# Altium PCB matrix.PcbDoc (part 5 of 5)
Units mm, origin at the board's own origin, x right, y up, seen from the top; angles counter-clockwise.
Board outline 350 x 105 mm, 2 copper layers (Top Layer, Bottom Layer), stack 1.571 mm thick; 187 components, 143 nets, 1443 pads, 602 vias.
Unrouted connection lines stored in the file: 3.
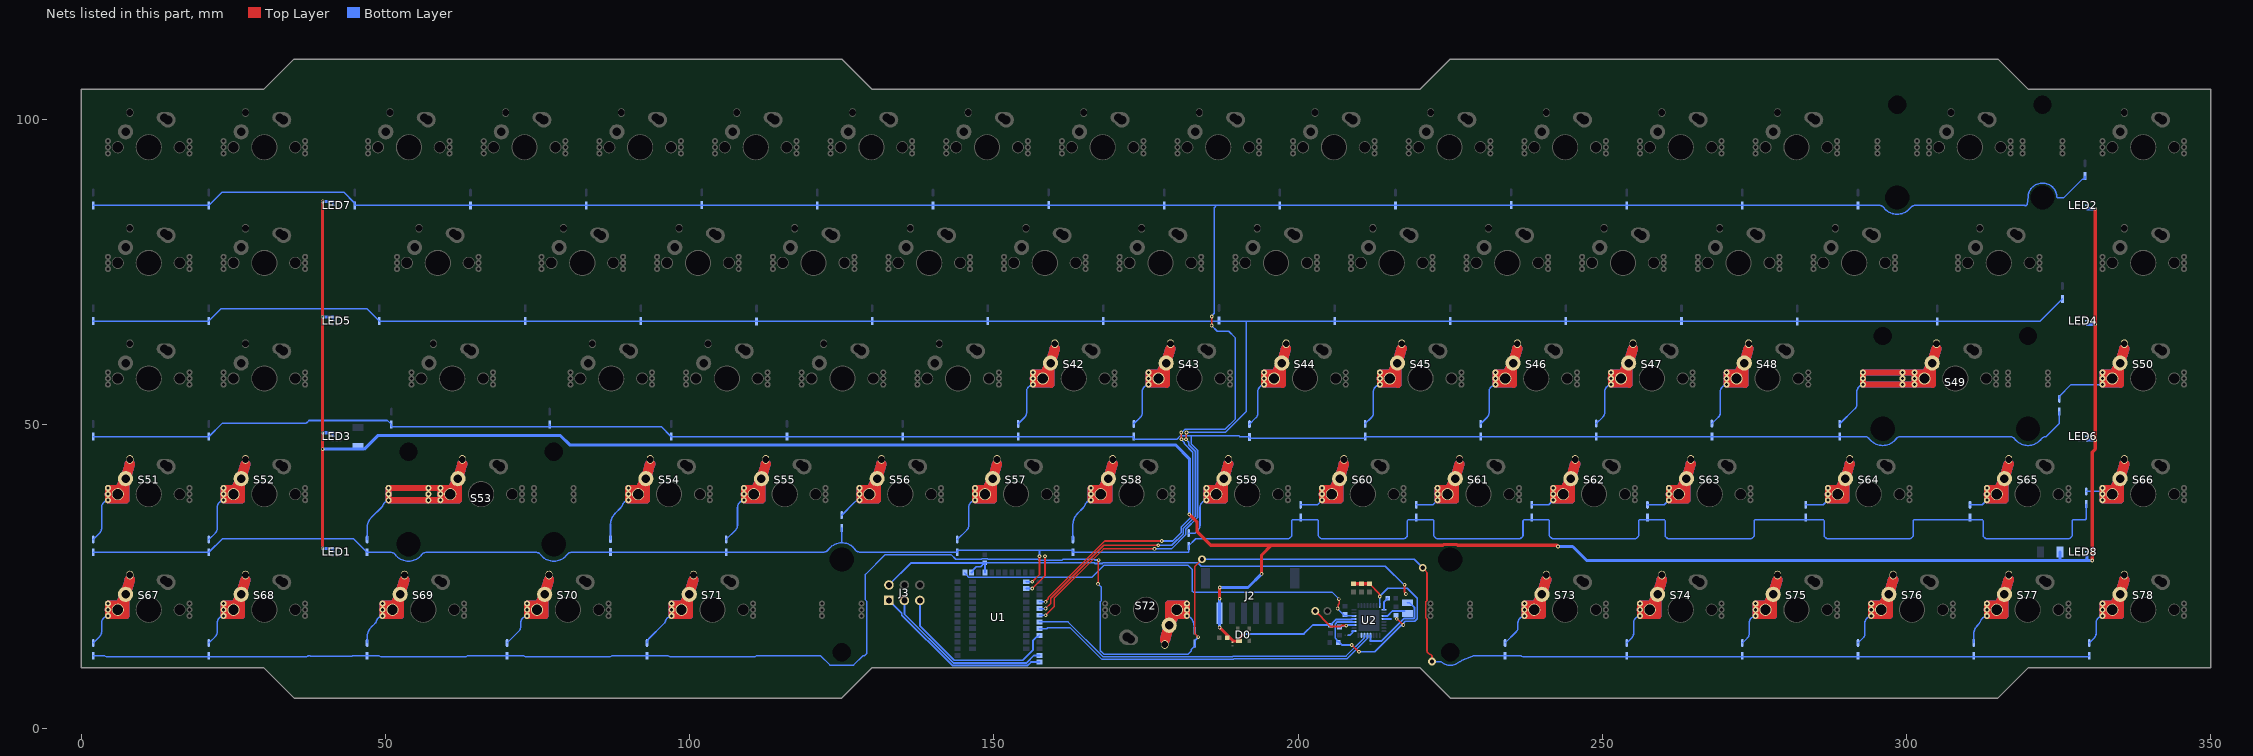
[diagram p5: the nets of this part, all layers, seen from the top]

## Via types
v1: diameter 0.6, hole 0.3, Top Layer to Bottom Layer, tented both sides, 571 vias
v2: diameter 1.57, hole 1.02, Top Layer to Bottom Layer, tented both sides, 15 vias
v3: diameter 0.61, hole 0.305, Top Layer to Bottom Layer, 9 vias
v4: diameter 0.6, hole 0.3, Top Layer to Bottom Layer, 4 vias
v5: diameter 1.27, hole 0.711, Top Layer to Bottom Layer, tented both sides, 3 vias

## Nets (pads, with @x,y where several pads share a name; then routed paths per layer and width w, separated by ;. In a path a pad name is that pad's centre, name@x,y a point inside that pad or via, vN(x,y) a via of type N, cw(c..) or ccw(c..) an arc to the next point about the centre after c; other vN are vias at no path point) (continued)
NetD42_2: D42.2 S42.1 | length 7.5
  Bottom Layer w0.254: D42.2@154,50.05 155.079,51.129 ccw(c154.371,51.835) 155.371,51.835 155.371,55.382 cw(c156.125,55.382) 155.428,55.67 155.489,55.817 cw(c156.186,55.529) 155.654,56.063 155.764,56.174 cw(c156.298,55.641) 156.009,56.338 156.157,56.399 cw(c156.445,55.702) 156.176,56.407 S42.1@156.424,56.502
NetD43_2: D43.2 S43.1 | length 7.5
  Bottom Layer w0.254: D43.2@173,50.05 174.079,51.129 ccw(c173.371,51.835) 174.371,51.835 174.371,55.382 cw(c175.125,55.382) 174.428,55.67 174.489,55.817 cw(c175.186,55.529) 174.654,56.063 174.764,56.174 cw(c175.298,55.641) 175.009,56.338 175.157,56.399 cw(c175.445,55.702) 175.176,56.407 S43.1@175.424,56.502
NetD44_2: D44.2 S44.1 | length 7.6
  Bottom Layer w0.254: D44.2@192,50 193.079,51.079 ccw(c192.371,51.785) 193.371,51.785 193.371,55.382 cw(c194.125,55.382) 193.428,55.67 193.489,55.817 cw(c194.186,55.529) 193.654,56.063 193.764,56.174 cw(c194.298,55.641) 194.009,56.338 194.157,56.399 cw(c194.445,55.702) 194.176,56.407 S44.1@194.425,56.502
NetD45_2: D45.2 S45.1 | length 7.5
  Bottom Layer w0.254: D45.2@211,50.05 212.079,51.129 ccw(c211.371,51.835) 212.371,51.835 212.371,55.382 cw(c213.125,55.382) 212.428,55.67 212.489,55.817 cw(c213.186,55.529) 212.654,56.063 212.764,56.174 cw(c213.298,55.641) 213.009,56.338 213.157,56.399 cw(c213.445,55.702) 213.176,56.407 S45.1@213.424,56.502
NetD46_2: D46.2 S46.1 | length 7.5
  Bottom Layer w0.254: D46.2@230,50.05 231.079,51.129 ccw(c230.371,51.835) 231.371,51.835 231.371,55.382 cw(c232.125,55.382) 231.428,55.67 231.489,55.817 cw(c232.186,55.529) 231.654,56.063 231.764,56.174 cw(c232.298,55.641) 232.009,56.338 232.157,56.399 cw(c232.445,55.702) 232.176,56.407 S46.1@232.424,56.502
NetD47_2: D47.2 S47.1 | length 7.5
  Bottom Layer w0.254: D47.2@249,50.101 250.079,51.179 ccw(c249.371,51.886) 250.371,51.886 250.371,55.382 cw(c251.125,55.382) 250.428,55.67 250.489,55.817 cw(c251.186,55.529) 250.654,56.063 250.764,56.174 cw(c251.298,55.641) 251.009,56.338 251.157,56.399 cw(c251.445,55.702) 251.176,56.407 S47.1@251.425,56.502
NetD48_2: D48.2 S48.1 | length 7.5
  Bottom Layer w0.254: D48.2@268,50.101 269.079,51.179 ccw(c268.371,51.886) 269.371,51.886 269.371,55.382 cw(c270.125,55.382) 269.428,55.67 269.489,55.817 cw(c270.186,55.529) 269.654,56.063 269.764,56.174 cw(c270.298,55.641) 270.009,56.338 270.157,56.399 cw(c270.445,55.702) 270.176,56.407 S48.1@270.425,56.502
NetD49_2: D49.2 S49.1 | length 8
  Bottom Layer w0.254: D49.2@289,50.05 291.514,52.564 ccw(c290.806,53.271) 291.806,53.271 291.806,55.3 cw(c292.56,55.302) 291.806,55.302 291.806,55.382 cw(c292.56,55.382) 291.863,55.67 291.924,55.817 cw(c292.621,55.529) 292.089,56.063 292.199,56.173 cw(c292.733,55.641) 292.421,56.327 S49.1@292.799,56.5
NetD50_2: D50.2 S50.1 | length 8.6
  Bottom Layer w0.254: D50.2@325.1,54.15 325.1,54.587 327.015,56.502 S50.1@332.175,56.502 ; S50.1@331.907,56.399 cw(c332.195,55.702) 331.926,56.407 S50.1@332.175,56.502
NetD51_2: D51.2 S51.1 | length 7.5
  Bottom Layer w0.254: D51.2@2,31.05 3.079,32.129 ccw(c2.371,32.835) 3.371,32.835 3.371,36.382 cw(c4.125,36.382) 3.428,36.67 3.489,36.817 cw(c4.186,36.529) 3.654,37.063 3.764,37.174 cw(c4.298,36.641) 4.009,37.338 4.157,37.399 cw(c4.445,36.702) 4.176,37.407 S51.1@4.425,37.502
NetD52_2: D52.2 S52.1 | length 7.5
  Bottom Layer w0.254: D52.2@21,31.05 22.079,32.129 ccw(c21.371,32.835) 22.371,32.835 22.371,36.382 cw(c23.125,36.382) 22.428,36.67 22.489,36.817 cw(c23.186,36.529) 22.654,37.063 22.764,37.174 cw(c23.298,36.641) 23.009,37.338 23.157,37.399 cw(c23.445,36.702) 23.176,37.407 S52.1@23.425,37.502
NetD53_2: D53.2 S53.1 | length 7.9
  Bottom Layer w0.254: D53.2@47,31.05 47,32.898 cw(c49.54,32.898) 47.744,34.694 49.398,36.348 ccw(c48.69,37.054) 49.614,36.672 49.674,36.817 cw(c50.371,36.529) 49.839,37.063 49.949,37.173 cw(c50.483,36.641) 50.171,37.327 S53.1@50.549,37.5
NetD54_2: D54.2 S54.1 | length 7.6
  Bottom Layer w0.254: D54.2@87,31.101 87,33.525 cw(c89.54,33.525) 87.744,35.321 88.678,36.256 ccw(c87.969,36.961) 88.913,36.63 cw(c89.625,36.382) 88.928,36.67 88.989,36.817 cw(c89.686,36.529) 89.154,37.063 89.264,37.174 cw(c89.798,36.641) 89.509,37.338 89.657,37.399 cw(c89.945,36.702) 89.676,37.407 S54.1@89.925,37.502
NetD55_2: D55.2 S55.1 | length 7.7
  Bottom Layer w0.254: D55.2@106,31.05 107.579,32.629 ccw(c106.871,33.335) 107.871,33.335 107.871,36.382 cw(c108.625,36.382) 107.928,36.67 107.989,36.817 cw(c108.686,36.529) 108.154,37.063 108.264,37.174 cw(c108.798,36.641) 108.509,37.338 108.657,37.399 cw(c108.945,36.702) 108.676,37.407 S55.1@108.924,37.502
NetD56_2: D56.2 S56.1 | length 3.9
  Bottom Layer w0.254: D56.2@125,35.05 127.118,37.168 cw(c127.925,36.361) S56.1@127.925,37.502
NetD57_2: D57.2 S57.1 | length 7.7
  Bottom Layer w0.254: D57.2@144,31.05 145.579,32.629 ccw(c144.871,33.335) 145.871,33.335 145.871,36.382 cw(c146.625,36.382) 145.928,36.67 145.989,36.817 cw(c146.686,36.529) 146.154,37.063 146.264,37.174 cw(c146.798,36.641) 146.509,37.338 146.657,37.399 cw(c146.945,36.702) 146.676,37.407 S57.1@146.925,37.502
NetD58_2: D58.2 S58.1 | length 7.6
  Bottom Layer w0.254: D58.2@163,31.05 163,33.525 cw(c165.54,33.525) 163.744,35.321 164.678,36.256 ccw(c163.969,36.961) 164.913,36.63 cw(c165.625,36.382) 164.928,36.67 164.989,36.817 cw(c165.686,36.529) 165.154,37.063 165.264,37.174 cw(c165.798,36.641) 165.509,37.338 165.657,37.399 cw(c165.945,36.702) 165.676,37.407 S58.1@165.924,37.502
NetD59_2: D59.2 S59.1 | length 7.3
  Bottom Layer w0.254: D59.2@182,32.101 183.05,32.101 183.579,32.629 ccw(c182.871,33.335) 183.871,33.335 183.871,36.382 cw(c184.625,36.382) 183.928,36.67 183.989,36.817 cw(c184.686,36.529) 184.154,37.063 184.264,37.174 cw(c184.798,36.641) 184.509,37.338 184.657,37.399 cw(c184.945,36.702) 184.676,37.407 S59.1@184.925,37.502
NetD60_2: D60.2 S60.1 | length 3.8
  Bottom Layer w0.254: D60.2@200.4,36.75 203.173,36.75 S60.1@203.925,37.502
NetD61_2: D61.2 S61.1 | length 3.8
  Bottom Layer w0.254: D61.2@219.4,36.75 222.173,36.75 S61.1@222.925,37.502
NetD62_2: D62.2 S62.1 | length 3.8
  Bottom Layer w0.254: D62.2@238.4,36.75 241.173,36.75 S62.1@241.925,37.502
NetD63_2: D63.2 S63.1 | length 3.8
  Bottom Layer w0.254: D63.2@257.4,36.75 260.173,36.75 S63.1@260.925,37.502
NetD64_2: D64.2 S64.1 | length 4
  Bottom Layer w0.254: D64.2@283.4,36.75 286.298,36.75 S64.1@287.05,37.502
NetD65_2: D65.2 S65.1 | length 3.1
  Bottom Layer w0.254: D65.2@310.4,36.75 312.423,36.75 S65.1@313.175,37.502
NetD66_2: D66.2 S66.1 | length 3.9
  Bottom Layer w0.254: D66.2@329.5,38.95 331.653,38.95 332.101,38.502 S66.1@332.175,38.502 S66.1@332.175,37.502
NetD67_2: D67.2 S67.1 | length 5.5
  Bottom Layer w0.254: D67.2@2,14.05 3.079,15.129 ccw(c2.371,15.835) 3.371,15.835 3.371,17.382 cw(c4.125,17.382) 3.428,17.67 3.489,17.817 cw(c4.186,17.529) 3.654,18.063 3.764,18.174 cw(c4.298,17.641) 4.009,18.338 4.157,18.399 cw(c4.445,17.702) 4.176,18.407 S67.1@4.425,18.502
NetD68_2: D68.2 S68.1 | length 5.5
  Bottom Layer w0.254: D68.2@21,14.05 22.079,15.129 ccw(c21.371,15.835) 22.371,15.835 22.371,17.382 cw(c23.125,17.382) 22.428,17.67 22.489,17.817 cw(c23.186,17.529) 22.654,18.063 22.764,18.174 cw(c23.298,17.641) 23.009,18.338 23.157,18.399 cw(c23.445,17.702) 23.176,18.407 S68.1@23.425,18.502
NetD69_2: D69.2 S69.1 | length 5.5
  Bottom Layer w0.254: D69.2@47,14.05 47,14.9 cw(c49.54,14.9) 47.744,16.696 48.303,17.256 ccw(c47.594,17.961) 48.538,17.63 cw(c49.25,17.382) 48.554,17.67 48.614,17.817 cw(c49.311,17.529) 48.779,18.063 48.889,18.174 cw(c49.424,17.641) 49.134,18.338 49.282,18.399 cw(c49.571,17.702) 49.302,18.407 S69.1@49.55,18.502
NetD70_2: D70.2 S70.1 | length 5.9
  Bottom Layer w0.254: D70.2@70,14.05 71.954,16.004 ccw(c71.246,16.711) 72.246,16.711 72.246,17.382 cw(c73,17.382) 72.304,17.67 72.364,17.817 cw(c73.061,17.529) 72.529,18.063 72.639,18.174 cw(c73.174,17.641) 72.884,18.338 73.032,18.399 cw(c73.321,17.702) 73.052,18.407 S70.1@73.3,18.502
NetD71_2: D71.2 S71.1 | length 6.2
  Bottom Layer w0.254: D71.2@93,14.05 cw(c93.97,14.05) 93.284,14.736 95.803,17.256 ccw(c95.094,17.961) 96.038,17.63 cw(c96.75,17.382) 96.054,17.67 96.114,17.817 cw(c96.811,17.529) 96.279,18.063 96.389,18.174 cw(c96.924,17.641) 96.634,18.338 96.782,18.399 cw(c97.071,17.702) 96.802,18.407 S71.1@97.049,18.502
NetD72_2: D72.2 S72.1 | length 3
  Bottom Layer w0.254: S72.1@181.7,18.498 181.95,18.401 cw(c181.68,17.698) 181.968,18.394 182.115,18.333 cw(c181.827,17.637) 182.361,18.169 182.471,18.058 cw(c181.939,17.524) 182.636,17.813 182.697,17.666 cw(c182,17.377) 182.733,17.554 182.929,16.741 cw(c180.46,16.146) 183,16.146 D72.2@183,16.05
NetD73_2: D73.2 S73.1 | length 5.8
  Bottom Layer w0.254: D73.2@234,14.05 235.829,15.879 ccw(c235.121,16.585) 236.121,16.585 236.121,17.382 cw(c236.875,17.382) 236.178,17.67 236.239,17.817 cw(c236.936,17.529) 236.404,18.063 236.514,18.174 cw(c237.048,17.641) 236.759,18.338 236.907,18.399 cw(c237.195,17.702) 236.926,18.407 S73.1@237.175,18.502
NetD74_2: D74.2 S74.1 | length 5.4
  Bottom Layer w0.254: D74.2@254,14.05 254.829,14.879 ccw(c254.121,15.585) 255.121,15.585 255.121,17.382 cw(c255.875,17.382) 255.178,17.67 255.239,17.817 cw(c255.936,17.529) 255.404,18.063 255.514,18.174 cw(c256.048,17.641) 255.759,18.338 255.907,18.399 cw(c256.195,17.702) 255.926,18.407 S74.1@256.175,18.502
NetD75_2: D75.2 S75.1 | length 5.4
  Bottom Layer w0.254: D75.2@273,14.05 273.829,14.879 ccw(c273.121,15.585) 274.121,15.585 274.121,17.382 cw(c274.875,17.382) 274.178,17.67 274.239,17.817 cw(c274.936,17.529) 274.404,18.063 274.514,18.174 cw(c275.048,17.641) 274.759,18.338 274.907,18.399 cw(c275.195,17.702) 274.926,18.407 S75.1@275.174,18.502
NetD76_2: D76.2 S76.1 | length 5.4
  Bottom Layer w0.254: D76.2@292,14.05 292.829,14.879 ccw(c292.121,15.585) 293.121,15.585 293.121,17.382 cw(c293.875,17.382) 293.178,17.67 293.239,17.817 cw(c293.936,17.529) 293.404,18.063 293.514,18.174 cw(c294.048,17.641) 293.759,18.338 293.907,18.399 cw(c294.195,17.702) 293.926,18.407 S76.1@294.174,18.502
NetD77_2: D77.2 S77.1 | length 5.3
  Bottom Layer w0.254: D77.2@311,14.05 311,15.275 cw(c313.54,15.275) 311.744,17.071 311.747,17.074 ccw(c311.038,17.779) 311.893,17.262 312.29,17.919 cw(c312.936,17.529) 312.404,18.063 312.514,18.174 cw(c313.048,17.641) 312.759,18.338 312.907,18.399 cw(c313.195,17.702) 312.925,18.406 S77.1@313.175,18.502
NetD78_2: D78.2 S78.1 | length 5.4
  Bottom Layer w0.254: D78.2@330,14.05 330.829,14.879 ccw(c330.121,15.585) 331.121,15.585 331.121,17.382 cw(c331.875,17.382) 331.178,17.67 331.239,17.817 cw(c331.936,17.529) 331.404,18.063 331.514,18.174 cw(c332.048,17.641) 331.759,18.338 331.907,18.399 cw(c332.195,17.702) 331.926,18.407 S78.1@332.175,18.502
RESET: J3.5 U1.32 | length 28.8
  Bottom Layer w0.3: J3.5@137.84,21.03 137.84,16.868 143.504,11.204 154.746,11.204 156.426,12.884 156.426,14.418 157.058,15.05 157.25,15.05 U1.32@157.5,15.3
"Row 0": D1.1 D2.1 D3.1 D4.1 D5.1 D6.1 D7.1 D8.1 D9.1 D10.1 D11.1 D12.1 D13.1 D14.1 D15.1 D16.1 D17.1 U1.27 | length 429.8
  Top Layer w0.254: v1(158.5,20.8) 158.5,20.894 158.933,21.326 158.933,21.51 168.222,30.8 v1(177.6,30.8) ; v1(180.8,48.624) 180.817,48.607 180.817,47.533 v1(180.835,47.516) ; v1(185.784,66.208) 185.792,66.216 185.792,67.692 v1(185.8,67.7)
  Bottom Layer w0.254: D1.1@2,85.95 D2.1@21,85.95 23.15,88.1 43.2,88.1 44.824,86.476 44.911,86.476 45,86.386 D3.1@45,85.95 D4.1@64,85.95 D5.1@83,85.95 D7.1@121,85.95 D8.1@140,85.95 D10.1@178,85.95 186.6,85.95 ; U1.27@157.5,20.8 v1(158.5,20.8) ; v1(177.6,30.8) 179.4,30.8 180.768,32.168 180.768,33.048 182.7,34.98 182.7,45.401 181.282,46.82 181.282,47 180.835,47.446 v1(180.835,47.516) ; v1(180.8,48.624) 180.868,48.624 181.433,49.189 188.04,49.189 189.629,50.778 189.629,64.226 188.583,65.273 186.719,65.273 v1(185.784,66.208) ; v1(185.8,67.7) 185.8,67.794 186.233,68.227 186.233,85.583 186.6,85.95 ; D17.1@329.3,90.7 329.3,90.364 329.211,90.275 328.875,90.275 325.773,87.173 324.938,87.173 324.839,87.173 324.69,87.322 324.685,87.399 ccw(c322.313,87.245) 319.946,87.46 ccw(c321.995,87.274) 319.946,87.458 319.823,86.093 319.674,85.945 319.584,85.92 319.488,85.92 ccw(c319.344,85.58) 319.345,85.95 301.405,85.95 ccw(c301.408,84.95) 300.618,85.563 cw(c298.437,87.245) 296.257,85.563 ccw(c295.466,84.95) 295.469,85.95 D16.1@292,85.95 D15.1@273,85.95 D14.1@254,85.95 D12.1@216,85.95 D11.1@197,85.95 186.6,85.95
"Row 1": D18.1 D19.1 D20.1 D21.1 D22.1 D23.1 D24.1 D25.1 D26.1 D27.1 D28.1 D29.1 D30.1 D31.1 D32.1 D33.1 D34.1 U1.28 | length 400.2
  Top Layer w0.254: v1(158.5,19.7) 159.339,20.539 159.339,21.378 168.061,30.1 v1(177,30.1) ; v1(181.562,47.519) 181.612,47.569 181.612,48.585 v1(181.662,48.635)
  Bottom Layer w0.254: D18.1@2,66.95 ccw(c2.121,67.071) 2.121,66.899 D19.1@21,66.899 ; D19.1@21,66.95 23.05,69 46.95,69 D20.1@49,66.95 ; D20.1@49,66.899 D23.1@111,66.899 149,66.899 187,66.899 191.5,66.899 ; U1.28@157.5,19.7 v1(158.5,19.7) ; v1(177,30.1) 179.239,30.1 181.149,32.01 181.149,32.89 183.081,34.822 183.081,45.559 182.019,46.621 182.019,47.031 181.562,47.488 v1(181.562,47.519) ; v1(181.662,48.635) 188.024,48.635 191.5,52.111 191.5,66.899 ; D34.1@325.6,70.6 321.899,66.899 D33.1@305,66.899 D32.1@282,66.899 244,66.899 191.5,66.899
"Row 2": D35.1 D36.1 D37.1 D38.1 D39.1 D40.1 D41.1 D42.1 D43.1 D44.1 D45.1 D46.1 D47.1 D48.1 D49.1 D50.1 U1.29 | length 379.3
  Top Layer w0.254: v1(158.5,18.6) 159.9,20 159.9,21.4 168.004,29.504 v1(176.4,29.504)
  Bottom Layer w0.254: D35.1@2,47.95 D36.1@21,47.95 23.226,50.175 36.94,50.175 37.087,50.236 37.451,50.6 50.35,50.6 D37.1@51,49.95 51,49.689 51.089,49.6 D38.1@77,49.6 ; D38.1@77,49.95 D38.1@77,49.6 ; U1.29@157.5,18.6 v1(158.5,18.6) ; v1(176.4,29.504) 179.181,29.504 181.53,31.852 181.53,32.732 183.462,34.664 183.462,45.717 182.4,46.779 182.4,48.088 ; D44.1@192,47.899 192,47.789 192.089,47.7 210.911,47.7 211,47.789 D45.1@211,47.95 D46.1@230,47.95 D49.1@289,47.95 293.093,47.95 cw(c293.091,46.95) 293.881,47.563 ccw(c296.062,49.245) 298.242,47.563 cw(c299.032,46.95) 299.03,47.95 316.969,47.95 cw(c316.967,46.95) 317.757,47.563 ccw(c319.938,49.245) 322.118,47.563 cw(c322.908,46.95) 322.906,47.95 325.1,50.144 D50.1@325.1,52.05 ; D44.1@192,47.95 190.411,47.95 190.273,48.088 182.4,48.088 ; D38.1@77,49.6 95.35,49.6 D39.1@97,47.95 D40.1@116,47.95 D41.1@135,47.95 D42.1@154,47.95 D43.1@173,47.95 173,47.591 173.089,47.501 173.448,47.501 173.45,47.5 180.035,47.5 180.605,48.07 181.329,48.07 181.332,48.073 181.735,48.073 181.75,48.088 182.4,48.088
"Row 3": D51.1 D52.1 D53.1 D54.1 D55.1 D56.1 D57.1 D58.1 D59.1 D60.1 D61.1 D62.1 D63.1 D64.1 D65.1 D66.1 U1.48 | length 381.8
  Top Layer w0.254: v1(156.3,24.1) 157.5,25.3 v1(157.5,28.3)
  Bottom Layer w0.254: D51.1@2,28.95 D52.1@21,28.95 23.226,31.175 36.94,31.175 36.964,31.2 44.75,31.2 D53.1@47,28.95 50.843,28.95 cw(c50.841,27.95) 51.631,28.563 ccw(c53.812,30.245) 55.992,28.563 cw(c56.782,27.95) 56.78,28.95 74.719,28.95 cw(c74.717,27.95) 75.507,28.563 ccw(c77.688,30.245) 79.868,28.563 cw(c80.658,27.95) 80.656,28.95 D55.1@106,28.95 121.959,28.95 ccw(c121.957,29.95) 122.767,29.364 cw(c125.002,27.755) 125,30.509 ; D56.1@125,32.95 125,30.509 ; U1.48@155.3,24.1 v1(156.3,24.1) ; v1(157.5,28.3) 157.5,29.3 ; 236.952,31.687 236.891,31.541 236.587,31.236 236.44,31.175 222.81,31.175 222.663,31.236 222.359,31.54 222.298,31.687 222.298,34.151 222.149,34.3 219.4,34.3 218.101,34.3 217.952,34.151 217.952,31.687 217.91,31.587 217.891,31.54 217.587,31.236 217.44,31.175 203.81,31.175 203.663,31.236 203.359,31.54 203.298,31.687 203.298,34.151 203.149,34.3 200.4,34.3 199.101,34.3 198.952,34.151 198.952,31.687 198.91,31.587 198.891,31.54 198.587,31.236 198.44,31.175 183.175,31.175 183.101,31.101 D59.1@182,30 182,28.95 D58.1@163,28.95 163,29.211 162.911,29.3 157.5,29.3 ; 236.952,31.687 236.952,34.151 237.101,34.3 238.4,34.3 241.149,34.3 241.298,34.151 241.298,31.687 241.359,31.54 241.663,31.236 241.81,31.175 255.44,31.175 255.587,31.236 255.891,31.54 255.91,31.587 255.952,31.687 255.952,34.151 256.101,34.3 257.4,34.3 260.149,34.3 260.298,34.151 260.298,31.687 260.359,31.54 260.663,31.236 260.81,31.175 274.44,31.175 274.587,31.236 274.891,31.54 274.91,31.587 274.952,31.687 274.952,34.151 275.101,34.3 283.4,34.3 286.274,34.3 286.423,34.151 286.423,31.687 286.484,31.54 286.788,31.236 286.935,31.175 300.565,31.175 300.712,31.236 301.016,31.54 301.036,31.587 301.077,31.687 301.077,34.151 301.226,34.3 310.4,34.3 312.399,34.3 312.548,34.151 312.548,31.687 312.609,31.54 312.913,31.236 313.06,31.175 326.69,31.175 326.837,31.236 327.141,31.54 327.16,31.587 327.202,31.687 ; 327.202,31.687 327.202,34.151 327.351,34.3 329.351,34.3 329.426,34.374 329.5,34.449 D66.1@329.5,36.85 ; 125,30.509 cw(c125.002,27.755) 127.238,29.363 ccw(c128.048,29.95) 128.046,28.95 D57.1@144,28.95 144,29.211 144.089,29.3 157.5,29.3
"Row 4": D67.1 D68.1 D69.1 D70.1 D71.1 D72.1 D73.1 D74.1 D75.1 D76.1 D77.1 D78.1 U1.49 | length 398.6
  Top Layer w0.254: v1(156.3,23) 158.4,25.1 v1(158.4,28.3) ; v1(167.119,23.754) 167.182,23.817 167.182,27.598 v1(167.245,27.661) ; v1(183.6,15) 183,15.6 183,26.6 v5(184.2,27.8) ; v5(220.486,26.414) 220.492,26.408 cw(c216.641,22.57) 221.173,25.574 221.173,20.999 220.986,20.812 220.986,18.188 221.173,18.001 221.173,12.685 221.234,12.538 221.538,12.234 221.685,12.173 221.851,12.127 222,11.978 v5(222,11)
  Bottom Layer w0.254: D67.1@2,11.95 3.608,11.95 cw(c3.606,10.95) 3.98,11.877 4.162,11.803 ccw(c4.445,12.502) 4.445,11.748 21,11.748 36.804,11.748 ccw(c36.804,12.502) 37.092,11.805 37.256,11.873 37.331,11.948 37.636,11.948 37.737,11.846 44.49,11.846 44.591,11.947 47,11.947 48.726,11.947 cw(c48.724,10.947) 49.077,11.883 49.304,11.797 ccw(c49.571,12.502) 49.571,11.748 62.93,11.748 ccw(c62.93,12.502) 63.22,11.806 63.231,11.811 63.381,11.873 ; 63.381,11.873 cw(c63.759,10.947) 63.733,11.947 70,11.946 72.484,11.946 cw(c72.484,10.946) 72.848,11.877 73.044,11.801 ccw(c73.321,12.502) 73.321,11.748 86.68,11.748 ccw(c86.68,12.502) 86.97,11.807 87.126,11.871 cw(c87.506,10.946) 87.506,11.946 93,11.946 96.233,11.945 cw(c96.233,10.945) 96.593,11.879 96.798,11.799 ccw(c97.071,12.502) 97.071,11.748 110.43,11.748 ccw(c110.43,12.502) 110.72,11.806 110.872,11.869 cw(c111.253,10.945) 111.253,11.945 120.991,11.944 cw(c120.991,11.924) 120.998,11.943 121.523,11.943 123.055,10.411 126.945,10.411 128.476,11.943 128.741,11.943 129.141,12.343 129.141,20.865 128.89,21.116 128.89,25.304 132.155,28.569 142.973,28.569 143.736,27.806 147.946,27.806 147.995,27.854 149.005,27.854 149.054,27.806 157.211,27.806 157.352,27.665 158.5,27.665 ; U1.49@155.3,23 v1(156.3,23) ; v1(158.4,28.3) 158.466,28.234 158.466,27.699 158.5,27.665 ; v1(167.119,23.754) 167.673,23.2 167.673,21.008 167.496,20.831 167.496,12.774 168.038,12.232 168.185,12.171 181.815,12.171 181.962,12.232 182.406,12.675 182.406,12.919 183.089,13.602 183.089,14.476 183.6,14.986 v1(183.6,15) ; v1(167.245,27.661) 167.227,27.679 166.564,27.679 166.437,27.806 161.37,27.806 161.229,27.665 158.5,27.665 ; v5(184.2,27.8) 219.1,27.8 v5(220.486,26.414) ; v5(222,11) 222.052,10.948 223.377,10.948 223.398,10.928 ; 223.547,10.924 ccw(c224.999,12.572) 226.453,10.926 ccw(c224.999,12.572) 226.454,10.926 226.455,10.928 226.599,10.928 226.956,11.177 228.62,11.866 cw(c229.001,10.942) 228.932,11.939 234,11.939 236.368,11.939 cw(c236.368,10.939) 236.718,11.876 236.931,11.796 ccw(c237.195,12.502) 237.195,11.748 329.4,11.748 ccw(c329.398,12.748) D78.1@330,11.95
SCL: U1.30 U2.14 | length 57.5
  Bottom Layer w0.254: U1.30@157.5,17.5 162.198,17.5 167.932,11.767 189.166,11.767 189.284,11.885 207.864,11.885 210.9,14.921 U2.14@210.9,15.3
SDA: U1.31 U2.13 | length 58.1
  Bottom Layer w0.254: U1.31@157.5,16.4 158.687,16.4 158.862,16.576 162.519,16.576 167.755,11.34 189.343,11.34 189.461,11.458 208.041,11.458 211.4,14.817 U2.13@211.4,15.3
SHPHLD: U2.15
SW1: L1.2 U2.3 | length 3.7
  Bottom Layer w0.3: U2.3@214.1,18.5 214.7,18.5 215.5,19.3 L1.2@217.49,19.3
SWDCLK: J3.1 U1.36 | length 29.6
  Bottom Layer w0.3: J3.1@132.76,21.03 134.873,18.917 134.873,18.628 143.151,10.35 155.554,10.35 156.104,10.9 U1.36@157.5,10.9
SWDIO: J3.3 U1.35 | length 28.3
  Bottom Layer w0.3: J3.3@135.3,21.03 135.3,18.804 143.327,10.777 155.377,10.777 156.6,12 U1.35@157.5,12
VBAT: C6.2 J1.1 U2.19 | length 9.1
  Top Layer w0.3: J1.1@202.535,19.574 205.377,16.732 206.959,16.732 207.127,16.9 v1(207.9,16.9)
  Bottom Layer w0.3: C6.2@206.8,16.675 206.968,16.843 207.843,16.843 v1(207.9,16.9) 207.981,16.9 208.081,17 U2.19@209.2,17
VBUSIN: C1.2 C10.2 C11.2 C13.2 C14.2 D0.1 J2.1 LED1.2_1 LED1.2_2 LED2.2_1 LED2.2_2 LED3.2_1 LED3.2_2 LED4.2_1 LED4.2_2 LED5.2_1 LED5.2_2 LED6.2_1 LED6.2_2 LED7.2_1 LED7.2_2 LED8.2_1 LED8.2_2 U2.21 | length 482.3
  Top Layer w0.508: v1(39.7,29.6) v1(39.7,45.9) v1(39.7,48.6) v1(39.7,67.6) v1(39.7,86.6) ; v1(182.118,35.182) 183.404,33.896 183.404,32.316 185.619,30.1 195.6,30.1 ; v1(187.1,16.6) 189.3,14.4 D0.1@190.25,14.4 190.4,14.4 190.496,14.496 190.496,14.974 v1(191.099,15.576) ; v1(187.1,21.3) 187.1,23.156 v1(187.114,23.17) ; v1(194,25.4) 194,28.5 195.6,30.1 ; v1(242.7,29.9) 242.5,30.1 226.195,30.1 226.036,30.259 223.961,30.259 223.802,30.1 195.6,30.1 ; v1(330.5,27.6) 330.5,45.412 330.981,45.893 v1(330.981,47.4) v1(330.981,66.4) v1(330.981,85.4)
  Bottom Layer w0.3: LED1.2_1@41.36,29.585 41.393,29.552 41.393,29.025 41.417,29 LED1.2_2@41.425,29 ; LED3.2_1@41.36,48.585 41.393,48.552 41.393,48.025 41.417,48 LED3.2_2@41.425,48 ; LED5.2_1@41.36,67.585 41.392,67.552 41.392,67.025 41.417,67 LED5.2_2@41.425,67 ; LED7.2_1@41.36,86.585 41.392,86.552 41.392,86.025 41.417,86 LED7.2_2@41.425,86 ; v1(191.099,15.576) 191.133,15.542 200.94,15.542 202.398,17 205.3,17 205.5,17.2 205.554,17.2 206.281,17.927 208.852,17.927 208.925,18 U2.21@209.2,18 ; LED8.2_2@329.575,29 329.582,29 329.607,28.975 329.607,28.448 LED8.2_1@329.64,28.415
  Bottom Layer w0.508: v1(39.7,29.6) 41.345,29.6 LED1.2_1@41.36,29.585 ; v1(39.7,45.9) 46.528,45.9 48.752,48.124 78.781,48.124 80.313,46.591 179.842,46.591 182.118,44.315 v1(182.118,35.182) ; v1(39.7,48.6) 39.715,48.585 LED3.2_1@41.36,48.585 ; v1(39.7,67.6) 39.715,67.585 LED5.2_1@41.36,67.585 ; v1(39.7,86.6) 41.345,86.6 LED7.2_1@41.36,86.585 ; v1(187.1,16.6) J2.1@187.1,18.925 v1(187.1,21.3) ; v1(187.114,23.17) 191.77,23.17 v1(194,25.4) ; v1(242.7,29.9) 245.1,29.9 247.4,27.6 325.2,27.6 ; C14.2@325.175,29 325.175,27.625 325.2,27.6 ; LED8.2_1@329.64,28.415 329.64,27.898 329.342,27.6 ; LED6.2_1@329.64,47.415 329.655,47.4 v1(330.981,47.4) ; LED4.2_1@329.64,66.415 329.655,66.4 v1(330.981,66.4) ; LED2.2_1@329.64,85.415 329.655,85.4 v1(330.981,85.4) ; v1(330.5,27.6) 329.342,27.6 ; 325.2,27.6 329.342,27.6
VBUSOUT: C5.2 U1.13 U2.22 | length 72
  Top Layer w0.254: v1(206.492,19.7) 206.558,19.766 206.558,20.316 206.75,20.508 206.75,21.204 v1(206.7,21.254)
  Bottom Layer w0.254: U1.13@145.25,25.6 145.25,25.5 145.696,25.054 145.696,24.995 145.845,24.846 166.12,24.846 168.099,26.825 181.901,26.825 182.601,26.125 182.601,22.549 182.749,22.4 205.554,22.4 v1(206.7,21.254) ; v1(206.492,19.7) 206.492,19.61 207.602,18.5 U2.22@209.2,18.5
VOUT1: C7.2 C9.1 C12.2 J3.2 L1.1 U1.14 U1.16 U2.1 U2.12 | length 108.9
  Top Layer w0.3: v1(217.5,23.604) 217.5,22.381 217.7,22.181 v1(217.7,22.1)
  Bottom Layer w0.3: J3.2@132.76,23.57 136.39,27.2 C12.2@148.45,27.2 ; U1.14@146.35,25.6 146.6,25.85 146.6,26.042 147.134,26.576 147.826,26.576 C12.2@148.45,27.2 ; C12.2@148.525,27.225 166.527,27.225 166.668,27.084 167.787,27.084 167.932,27.229 183.482,27.229 184.058,26.652 214.348,26.652 217.396,23.604 v1(217.5,23.604) ; U1.16@148.55,25.6 148.525,25.625 148.525,27.2 C12.2@148.45,27.2 ; U2.12@211.9,15.3 C9.1@211.9,14.385 213.704,14.385 217.367,18.048 218.975,18.048 219.137,18.21 219.137,19.818 218.295,20.66 L1.1@217.95,20.66 ; U2.1@214.1,19.5 214.1,20.75 C7.2@214.725,21.375
VSET1: R1.2 U2.17 | length 1.3
  Bottom Layer w0.3: R1.2@208.3,15.3 208.5,15.3 208.938,15.738 208.938,16 U2.17@209.2,16
VSYS: B.1 C2.2 C4.2 G.1 R.1 U2.4 U2.20 U2.32 | length 42.8
  Top Layer w0.3: v1(208.8,13.7) 208.85,13.7 209.95,12.6 v1(210,12.6) ; B.1@211.7,23.775 211.725,23.775 213.343,22.157 213.343,21.749 v1(213.4,21.692) ; v1(216.2,18) 216.25,18 217.25,17 v1(217.3,17)
  Top Layer w0.6: G.1@209.1,23.775 R.1@210.4,23.775 B.1@211.7,23.775
  Bottom Layer w0.3: v1(208.8,13.7) 207.258,13.7 206.704,14.254 206.446,14.254 206.35,14.35 206.35,14.608 206.1,14.858 206.1,17.142 206.458,17.5 U2.20@209.2,17.5 ; v1(210,12.6) 212.6,12.6 216.943,16.943 217.243,16.943 v1(217.3,17) 217.357,17.057 217.357,17.357 217.621,17.621 219.152,17.621 219.564,18.033 219.564,21.421 217.958,23.027 214.735,23.027 v1(213.4,21.692) U2.32@213.4,20.2 ; U2.4@214.1,18 215.246,18
pads on no net: J2.MP1 J2.MP2 J3.6 LED8.1 LED8.4 S1.0 S2.0 S3.0 S4.0 S5.0 S6.0 S7.0 S8.0 S9.0 S10.0 S11.0 S12.0 S13.0 S14.0 S15.0 S16. S16.0 S17.0 S18.0 S19.0 S20.0 S21.0 S22.0 S23.0 S24.0 S25.0 S26.0 S27.0 S28.0 S29.0 S30.0 S31.0 S32.0 S33.0 S34.0 S35.0 S36.0 S37.0 S38.0 S39.0 S40.0 S41.0 S42.0 S43.0 S44.0 S45.0 S46.0 S47.0 S48.0 S49. S49.0 S50.0 S51.0 S52.0 S53. S53.0 S54.0 S55.0 S56.0 S57.0 S58.0 S59.0 S60.0 S61.0 S62.0 S63.0 S64.0 S65.0 S66.0 S67.0 S68.0 S69.0 S70.0 S71.0 S72. S72.0 S72.8 S72.10 S72.12 S73.0 S74.0 S75.0 S76.0 S77.0 S78.0 U1.15 U1.33 U1.34 U1.37 U1.38 U1.39 U1.40 U1.41 U1.42 U1.43 U1.46 U1.47 U1.51 U1.52 U1.53 U1.54 U1.55 U1.56 U1.57 U1.58 U2.5 U2.16

## Polygon pours and split planes (outlines as drawn)
GND on Top Layer "GND_L01_P002" (solid, remove dead copper, pour order 2): 0,105 350,105 350,10 0,10
GND on Bottom Layer "GND_L02_P000" (solid, remove dead copper, pour order 0): 0,105 350,105 350,10 0,10

## Other copper
Bottom Layer:
  region net GND: 216.475,21.8 215.7,21.8 215.7,21.225 215.275,20.8 214.9,20.8 214.7,20.6 214.7,19.3 214.55,19.15 214.1,19.15 214.1,18.85 214.625,18.85 215.375,19.6 216.475,19.6
  region net VSYS: 215,18.1 215.675,18.775 215.675,19 216.475,19 216.475,17.975 216.2,17.7 215.4,17.7
  region net VOUT1: 216.625,22.05 215.55,22.05 215.35,21.85 215.354,21.846 215.354,21.254 215.1,21 214.35,21 214.35,22.15 214.85,22.65 214.85,22.75 215.85,22.75 217.843,22.75 218.243,22.35 218.86,21.733 218.86,20.075 217.025,20.075 217.025,21.65

## Silkscreen, mask and mechanical layers (free items; w line width, h text height)
Board:
  drawing of 1724 lines, arcs and shapes, not listed

## Text inside footprints (layer, text, board x,y; h text height)
S1: Mechanical 13 "CUTOUT" at 12.825,89.202 h0.6 r180; Mechanical 13 "CUTOUT" at 9.425,101.8 h0.6
S2: Mechanical 13 "CUTOUT" at 31.825,89.202 h0.6 r180; Mechanical 13 "CUTOUT" at 28.425,101.8 h0.6
S3: Mechanical 13 "CUTOUT" at 52.175,101.8 h0.6; Mechanical 13 "CUTOUT" at 55.575,89.202 h0.6 r180
S4: Mechanical 13 "CUTOUT" at 74.575,89.202 h0.6 r180; Mechanical 13 "CUTOUT" at 71.175,101.8 h0.6
S5: Mechanical 13 "CUTOUT" at 93.575,89.202 h0.6 r180; Mechanical 13 "CUTOUT" at 90.175,101.8 h0.6
S6: Mechanical 13 "CUTOUT" at 112.575,89.202 h0.6 r180; Mechanical 13 "CUTOUT" at 109.175,101.8 h0.6
S7: Mechanical 13 "CUTOUT" at 131.575,89.202 h0.6 r180; Mechanical 13 "CUTOUT" at 128.175,101.8 h0.6
S8: Mechanical 13 "CUTOUT" at 150.575,89.202 h0.6 r180; Mechanical 13 "CUTOUT" at 147.175,101.8 h0.6
S9: Mechanical 13 "CUTOUT" at 169.575,89.202 h0.6 r180; Mechanical 13 "CUTOUT" at 166.175,101.8 h0.6
S10: Mechanical 13 "CUTOUT" at 188.575,89.202 h0.6 r180; Mechanical 13 "CUTOUT" at 185.175,101.8 h0.6
S11: Mechanical 13 "CUTOUT" at 207.575,89.202 h0.6 r180; Mechanical 13 "CUTOUT" at 204.175,101.8 h0.6
S12: Mechanical 13 "CUTOUT" at 226.575,89.202 h0.6 r180; Mechanical 13 "CUTOUT" at 223.175,101.8 h0.6
S13: Mechanical 13 "CUTOUT" at 245.575,89.202 h0.6 r180; Mechanical 13 "CUTOUT" at 242.175,101.8 h0.6
S14: Mechanical 13 "CUTOUT" at 264.575,89.202 h0.6 r180; Mechanical 13 "CUTOUT" at 261.175,101.8 h0.6
S15: Mechanical 13 "CUTOUT" at 283.575,89.202 h0.6 r180; Mechanical 13 "CUTOUT" at 280.175,101.8 h0.6
S16: Keep-Out Layer "CUTOUT" at 312.075,89.202 h0.6 r180; Keep-Out Layer "CUTOUT" at 308.675,101.8 h0.6
S17: Mechanical 13 "CUTOUT" at 340.575,89.202 h0.6 r180; Mechanical 13 "CUTOUT" at 337.175,101.8 h0.6
S18: Mechanical 13 "CUTOUT" at 12.825,70.202 h0.6 r180; Mechanical 13 "CUTOUT" at 9.425,82.8 h0.6
S19: Mechanical 13 "CUTOUT" at 31.825,70.202 h0.6 r180; Mechanical 13 "CUTOUT" at 28.425,82.8 h0.6
S20: Keep-Out Layer "CUTOUT" at 56.925,82.8 h0.6; Keep-Out Layer "CUTOUT" at 60.325,70.202 h0.6 r180
S21: Mechanical 13 "CUTOUT" at 84.075,70.202 h0.6 r180; Mechanical 13 "CUTOUT" at 80.675,82.8 h0.6
S22: Mechanical 13 "CUTOUT" at 103.075,70.202 h0.6 r180; Mechanical 13 "CUTOUT" at 99.675,82.8 h0.6
S23: Mechanical 13 "CUTOUT" at 122.075,70.202 h0.6 r180; Mechanical 13 "CUTOUT" at 118.675,82.8 h0.6
S24: Mechanical 13 "CUTOUT" at 141.075,70.202 h0.6 r180; Mechanical 13 "CUTOUT" at 137.675,82.8 h0.6
S25: Mechanical 13 "CUTOUT" at 160.075,70.202 h0.6 r180; Mechanical 13 "CUTOUT" at 156.675,82.8 h0.6
S26: Mechanical 13 "CUTOUT" at 179.075,70.202 h0.6 r180; Mechanical 13 "CUTOUT" at 175.675,82.8 h0.6
S27: Mechanical 13 "CUTOUT" at 198.075,70.202 h0.6 r180; Mechanical 13 "CUTOUT" at 194.675,82.8 h0.6
S28: Mechanical 13 "CUTOUT" at 217.075,70.202 h0.6 r180; Mechanical 13 "CUTOUT" at 213.675,82.8 h0.6
S29: Mechanical 13 "CUTOUT" at 236.075,70.202 h0.6 r180; Mechanical 13 "CUTOUT" at 232.675,82.8 h0.6
S30: Mechanical 13 "CUTOUT" at 255.075,70.202 h0.6 r180; Mechanical 13 "CUTOUT" at 251.675,82.8 h0.6
S31: Mechanical 13 "CUTOUT" at 274.075,70.202 h0.6 r180; Mechanical 13 "CUTOUT" at 270.675,82.8 h0.6
S32: Mechanical 13 "CUTOUT" at 293.075,70.202 h0.6 r180; Mechanical 13 "CUTOUT" at 289.675,82.8 h0.6
S33: Keep-Out Layer "CUTOUT" at 313.425,82.8 h0.6; Keep-Out Layer "CUTOUT" at 316.825,70.202 h0.6 r180
S34: Mechanical 13 "CUTOUT" at 340.575,70.202 h0.6 r180; Mechanical 13 "CUTOUT" at 337.175,82.8 h0.6
S35: Mechanical 13 "CUTOUT" at 12.825,51.202 h0.6 r180; Mechanical 13 "CUTOUT" at 9.425,63.8 h0.6
S36: Mechanical 13 "CUTOUT" at 31.825,51.202 h0.6 r180; Mechanical 13 "CUTOUT" at 28.425,63.8 h0.6
S37: Keep-Out Layer "CUTOUT" at 62.7,51.202 h0.6 r180; Keep-Out Layer "CUTOUT" at 59.3,63.8 h0.6
S38: Mechanical 13 "CUTOUT" at 88.825,51.202 h0.6 r180; Mechanical 13 "CUTOUT" at 85.425,63.8 h0.6
S39: Mechanical 13 "CUTOUT" at 107.825,51.202 h0.6 r180; Mechanical 13 "CUTOUT" at 104.425,63.8 h0.6
S40: Mechanical 13 "CUTOUT" at 126.825,51.202 h0.6 r180; Mechanical 13 "CUTOUT" at 123.425,63.8 h0.6
S41: Mechanical 13 "CUTOUT" at 145.825,51.202 h0.6 r180; Mechanical 13 "CUTOUT" at 142.425,63.8 h0.6
S42: Mechanical 13 "CUTOUT" at 164.825,51.202 h0.6 r180; Mechanical 13 "CUTOUT" at 161.425,63.8 h0.6
S43: Mechanical 13 "CUTOUT" at 183.825,51.202 h0.6 r180; Mechanical 13 "CUTOUT" at 180.425,63.8 h0.6
S44: Mechanical 13 "CUTOUT" at 202.825,51.202 h0.6 r180; Mechanical 13 "CUTOUT" at 199.425,63.8 h0.6
S45: Mechanical 13 "CUTOUT" at 221.825,51.202 h0.6 r180; Mechanical 13 "CUTOUT" at 218.425,63.8 h0.6
S46: Mechanical 13 "CUTOUT" at 240.825,51.202 h0.6 r180; Mechanical 13 "CUTOUT" at 237.425,63.8 h0.6
S47: Mechanical 13 "CUTOUT" at 259.825,51.202 h0.6 r180; Mechanical 13 "CUTOUT" at 256.425,63.8 h0.6
S48: Mechanical 13 "CUTOUT" at 278.825,51.202 h0.6 r180; Mechanical 13 "CUTOUT" at 275.425,63.8 h0.6
S49: Keep-Out Layer "CUTOUT" at 309.7,51.202 h0.6 r180; Keep-Out Layer "CUTOUT" at 306.3,63.8 h0.6
S50: Mechanical 13 "CUTOUT" at 340.575,51.202 h0.6 r180; Mechanical 13 "CUTOUT" at 337.175,63.8 h0.6
S51: Mechanical 13 "CUTOUT" at 12.825,32.202 h0.6 r180; Mechanical 13 "CUTOUT" at 9.425,44.8 h0.6
S52: Mechanical 13 "CUTOUT" at 31.825,32.202 h0.6 r180; Mechanical 13 "CUTOUT" at 28.425,44.8 h0.6
S53: Keep-Out Layer "CUTOUT" at 67.45,32.202 h0.6 r180; Keep-Out Layer "CUTOUT" at 64.05,44.8 h0.6
S54: Mechanical 13 "CUTOUT" at 98.325,32.202 h0.6 r180; Mechanical 13 "CUTOUT" at 94.925,44.8 h0.6
S55: Mechanical 13 "CUTOUT" at 117.325,32.202 h0.6 r180; Mechanical 13 "CUTOUT" at 113.925,44.8 h0.6
S56: Mechanical 13 "CUTOUT" at 136.325,32.202 h0.6 r180; Mechanical 13 "CUTOUT" at 132.925,44.8 h0.6
S57: Mechanical 13 "CUTOUT" at 151.925,44.8 h0.6; Mechanical 13 "CUTOUT" at 155.325,32.202 h0.6 r180
S58: Mechanical 13 "CUTOUT" at 174.325,32.202 h0.6 r180; Mechanical 13 "CUTOUT" at 170.925,44.8 h0.6
S59: Mechanical 13 "CUTOUT" at 189.925,44.8 h0.6; Mechanical 13 "CUTOUT" at 193.325,32.202 h0.6 r180
S60: Mechanical 13 "CUTOUT" at 212.325,32.202 h0.6 r180; Mechanical 13 "CUTOUT" at 208.925,44.8 h0.6
S61: Mechanical 13 "CUTOUT" at 231.325,32.202 h0.6 r180; Mechanical 13 "CUTOUT" at 227.925,44.8 h0.6
S62: Mechanical 13 "CUTOUT" at 250.325,32.202 h0.6 r180; Mechanical 13 "CUTOUT" at 246.925,44.8 h0.6
S63: Mechanical 13 "CUTOUT" at 269.325,32.202 h0.6 r180; Mechanical 13 "CUTOUT" at 265.925,44.8 h0.6
S64: Keep-Out Layer "CUTOUT" at 295.45,32.202 h0.6 r180; Keep-Out Layer "CUTOUT" at 292.05,44.8 h0.6
S65: Mechanical 13 "CUTOUT" at 321.575,32.202 h0.6 r180; Mechanical 13 "CUTOUT" at 318.175,44.8 h0.6
S66: Mechanical 13 "CUTOUT" at 340.575,32.202 h0.6 r180; Mechanical 13 "CUTOUT" at 337.175,44.8 h0.6
S67: Mechanical 13 "CUTOUT" at 12.825,13.202 h0.6 r180; Mechanical 13 "CUTOUT" at 9.425,25.8 h0.6
S68: Mechanical 13 "CUTOUT" at 31.825,13.202 h0.6 r180; Mechanical 13 "CUTOUT" at 28.425,25.8 h0.6
S69: Keep-Out Layer "CUTOUT" at 57.95,13.202 h0.6 r180; Keep-Out Layer "CUTOUT" at 54.55,25.8 h0.6
S70: Keep-Out Layer "CUTOUT" at 81.7,13.202 h0.6 r180; Keep-Out Layer "CUTOUT" at 78.3,25.8 h0.6
S71: Keep-Out Layer "CUTOUT" at 105.45,13.202 h0.6 r180; Keep-Out Layer "CUTOUT" at 102.05,25.8 h0.6
S72: Top Overlay "Edge Plating along three inner sides" at 178.8,13.153 h0.25 r180; Keep-Out Layer "CUTOUT" at 176.7,13.2 h0.6 r180; Keep-Out Layer "CUTOUT" at 173.3,25.798 h0.6
S73: Mechanical 13 "CUTOUT" at 245.575,13.202 h0.6 r180; Mechanical 13 "CUTOUT" at 242.175,25.8 h0.6
S74: Mechanical 13 "CUTOUT" at 264.575,13.202 h0.6 r180; Mechanical 13 "CUTOUT" at 261.175,25.8 h0.6
S75: Mechanical 13 "CUTOUT" at 283.575,13.202 h0.6 r180; Mechanical 13 "CUTOUT" at 280.175,25.8 h0.6
S76: Mechanical 13 "CUTOUT" at 302.575,13.202 h0.6 r180; Mechanical 13 "CUTOUT" at 299.175,25.8 h0.6
S77: Mechanical 13 "CUTOUT" at 321.575,13.202 h0.6 r180; Mechanical 13 "CUTOUT" at 318.175,25.8 h0.6
S78: Mechanical 13 "CUTOUT" at 340.575,13.202 h0.6 r180; Mechanical 13 "CUTOUT" at 337.175,25.8 h0.6